# Altium PCB Clock_Buffer.PcbDoc
Units mm, origin at the board's own origin, x right, y up, seen from the top; angles counter-clockwise.
Board outline 38.1 x 39.62 mm, 2 copper layers (Top Layer, Bottom Layer(GND)), stack 1.57 mm thick; 28 components, 12 nets, 89 pads, 0 vias.
Unrouted connection lines stored in the file: 1.
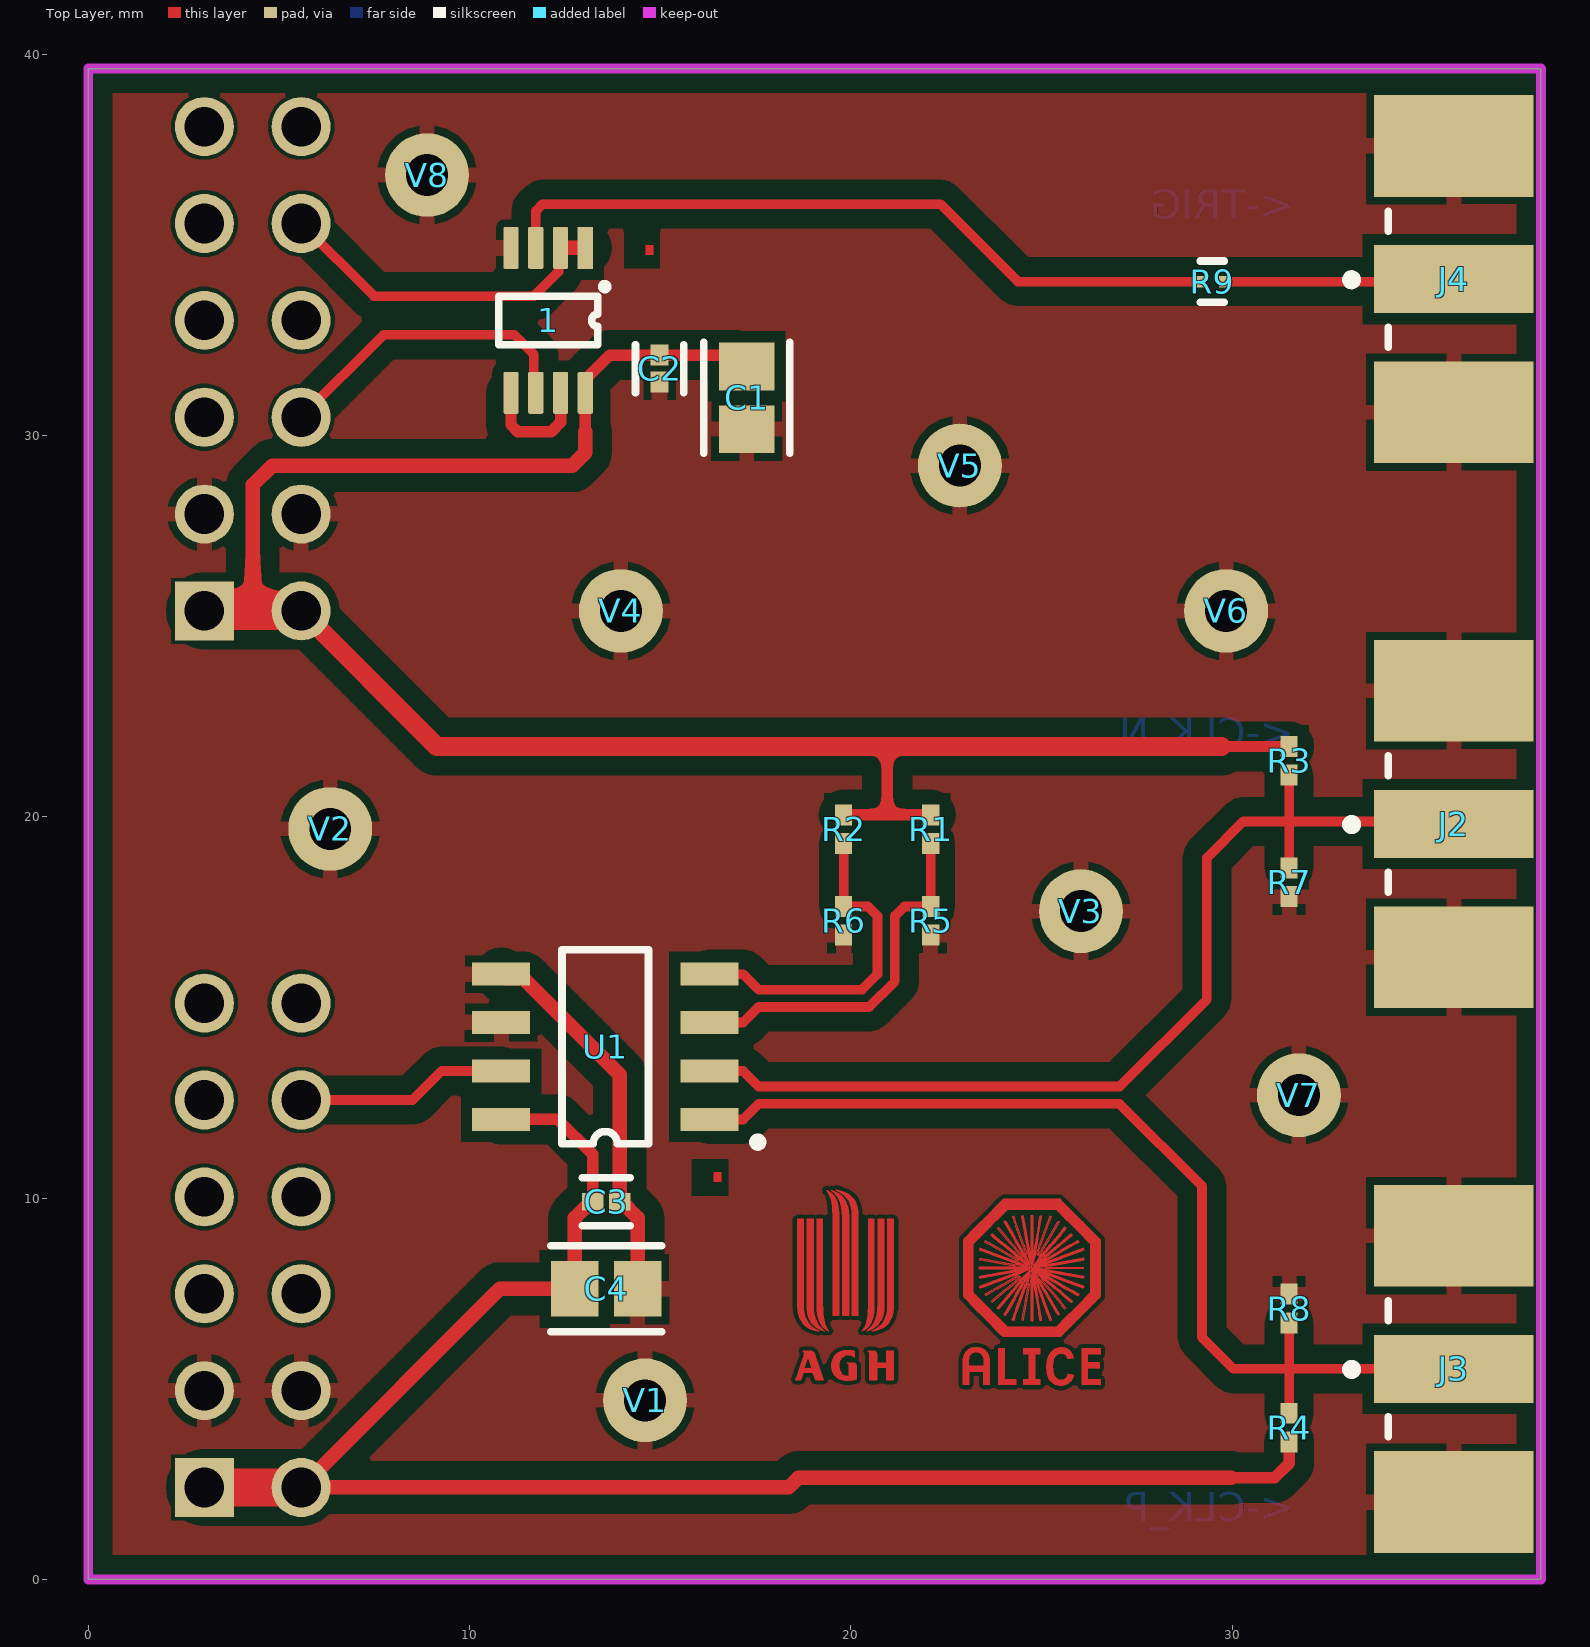
[diagram p0: Top Layer view]
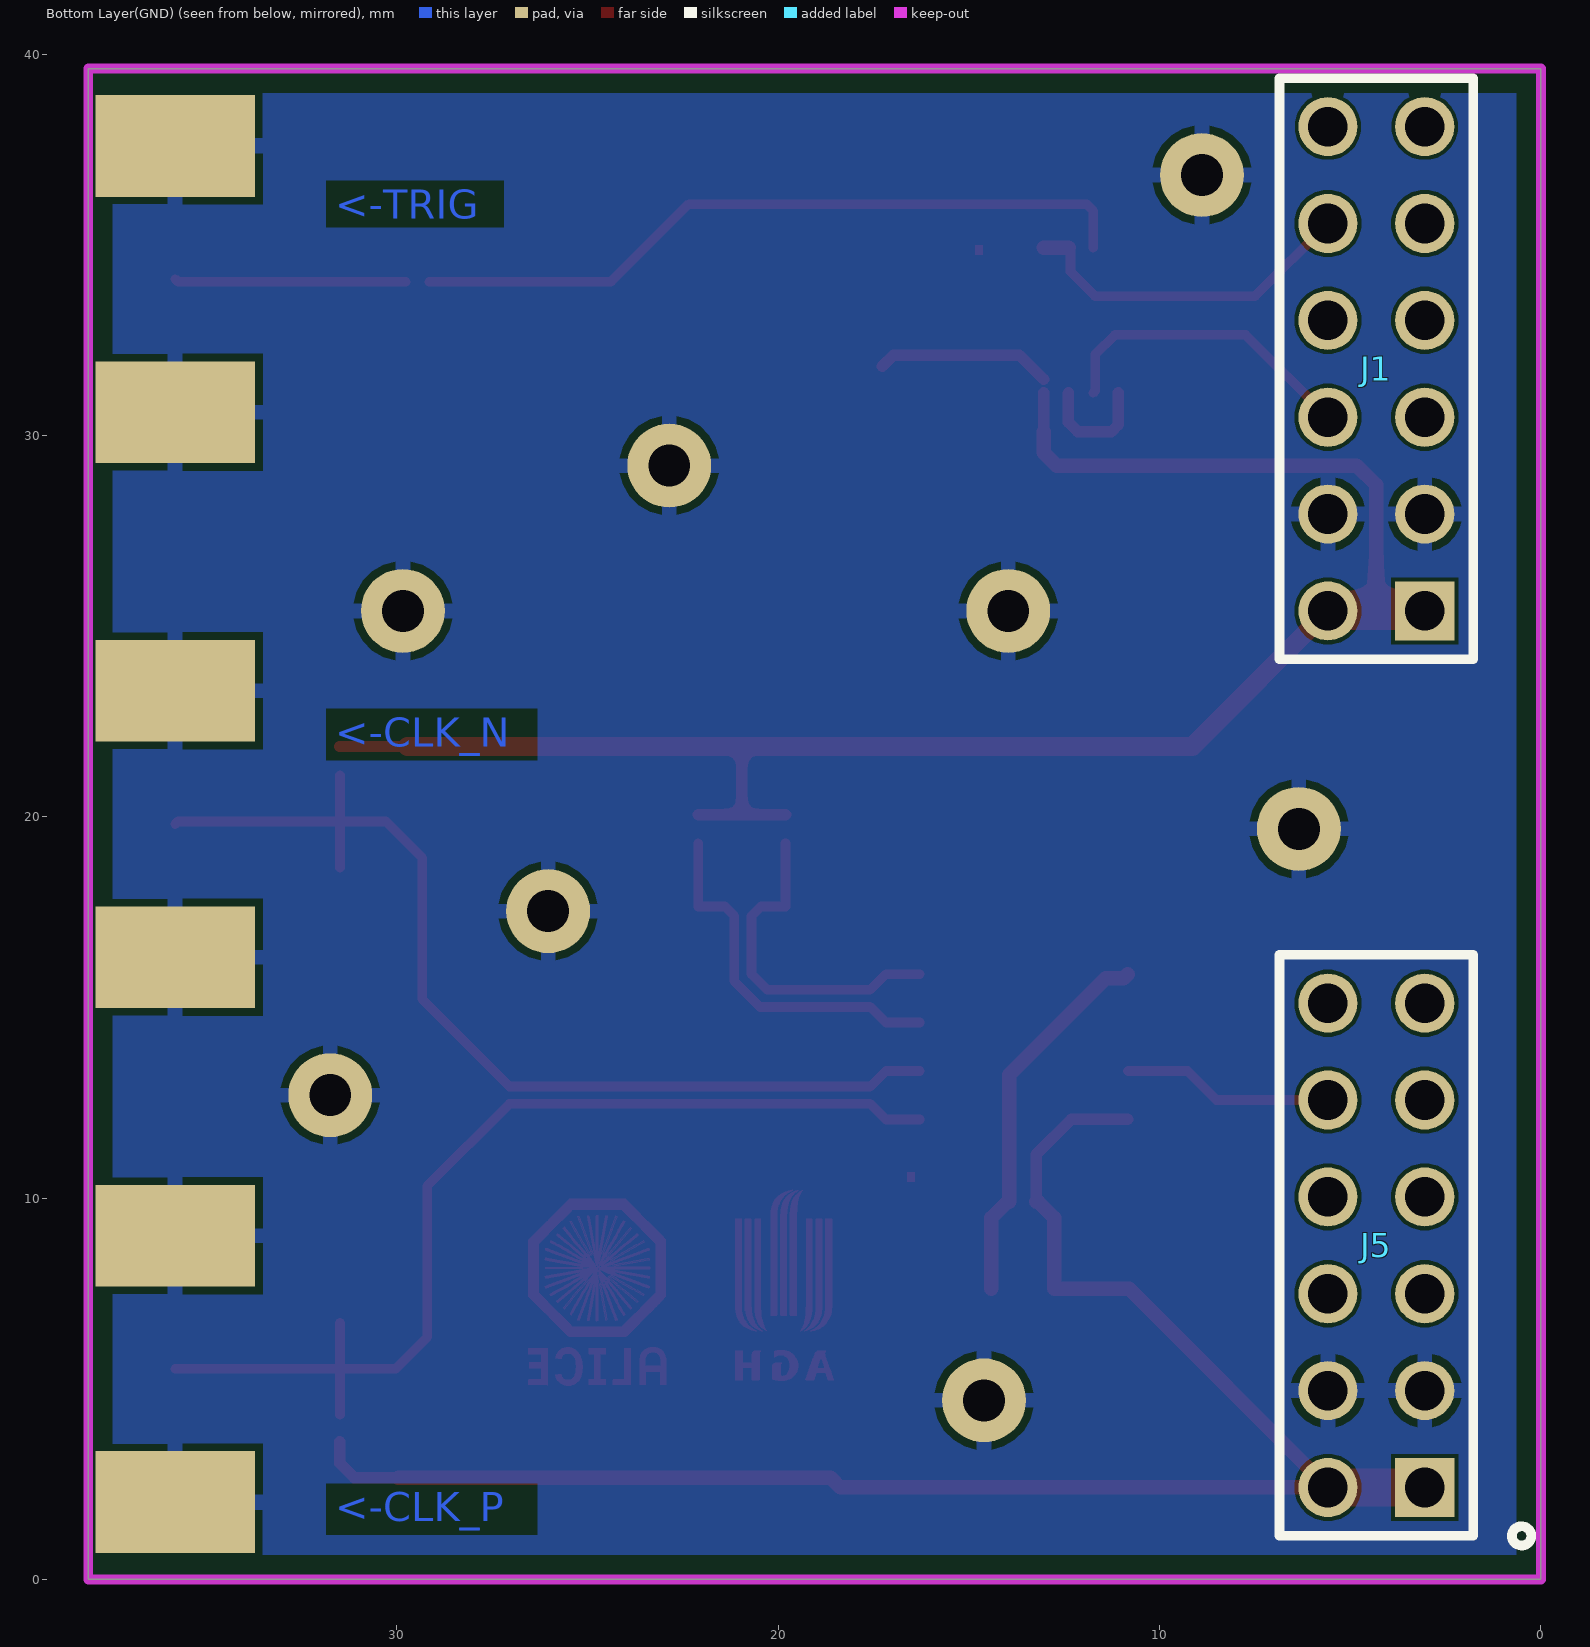
[diagram p1: Bottom Layer(GND) view, seen from below]
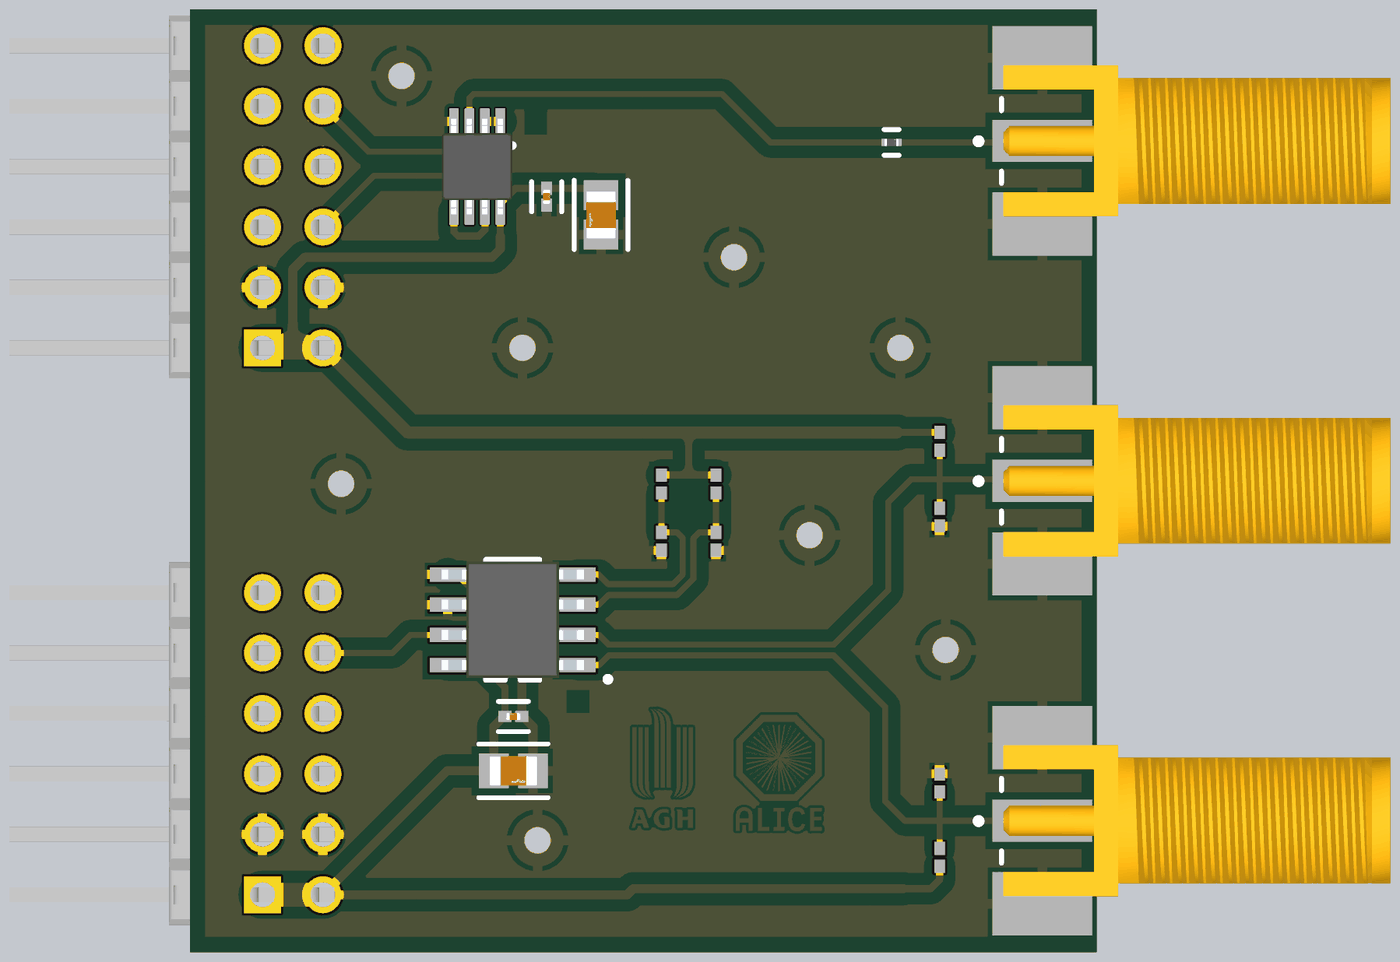
[diagram p2: 3D render of the assembled board from above, using the file's embedded part models]

## Layer stack, top to bottom
Top Solder: solder mask 0.0102, Solder Resist, Dk 3.5
Top Layer: signal copper 0.035
Dielectric 1: dielectric 1.5, FR-4, Dk 4.1
Bottom Layer(GND): signal copper 0.035
Bottom Solder: solder mask 0.0102, Solder Resist, Dk 3.5

## Board outline
0,0 0,39.624 38.1,39.624 38.1,0

## Design rules (kind name [scope] priority, off if disabled: settings)
BoardOutlineClearance [IsPolygon or IsNet] p1: gap=0.5 ignorepadtopadclearanceinfootprint=FALSE
Clearance [All] p1: gap=0.1 ignorepadtopadclearanceinfootprint=FALSE except(0.3: SMDPad-Fill SMDPad-Poly SMDPad-Region; 0.508: Arc-Fill Arc-Poly Arc-Region Track-Fill Track-Poly Track-Region)
ComponentClearance [All] p1 off: gap=0 collisioncheckmode=3 verticalgap=0 showdistances=FALSE
DiffPairsRouting [All] p1: maxlimit=0.254 minlimit=0.1 mostfreqgap=0.2 toplayer_minwidth=0.1 toplayer_maxwidth=0.7 toplayer_prefwidth=0.254 bottomlayer_minwidth=0.1 bottomlayer_maxwidth=0.7 bottomlayer_prefwidth=0.254 maxuncoupledlength=12.7
MinimumSolderMaskSliver [All] p1: minsoldermaskwidth=0.1
PolygonConnect Polygon_Power [InNet('GND') or InNet('VCC')] p1: connectstyle=Relief reliefconductorwidth=0.4 reliefentries=4 polygonreliefangle="90 Angle" airgapwidth=0.2
PolygonConnect [All] p2: connectstyle=Relief reliefconductorwidth=0.254 reliefentries=4 polygonreliefangle="90 Angle" airgapwidth=0.254
RoutingVias [All] p1: holewidth=0.711 width=1.27 viastyle="Through Hole" minholewidth=0.711 minwidth=1.27 maxholewidth=0.711 maxwidth=1.27
SolderMaskExpansion [All] p1: expansion=0.102 istentingtop=FALSE
SupplyNets "Schematic Supply Nets_1" [InNet('GND')] p1: voltage=0.000
SupplyNets "Schematic Supply Nets" [InNet('VCC')] p2: voltage=0.000
Width [All] p1: maxlimit=2 minlimit=0.1 preferedwidth=0.3 minimp=50.000000 maximp=50.000000 favimp=50.000000
27 further rules are at their usual default settings.

## Classes and differential pairs
differential pair Q1: +Q1_P -Q1_N
differential pair Q0: +Q0_P -Q0_N

## Components (designator, comment, footprint, x,y, rotation, side; value= is the part's Value field where it differs from the comment)
1 "SN74LVC2G08DCTRG4" "8-Pin SM8" 12.065,33.02 r270 top
C1 "GRM21BZ71E106KE15K" FP-GRM21B-0_2-e0_2_0_7-IPC_B 17.272,30.988 r270 top value=10uF
C2 "GRM033Z71C104KE14J" FP-GRM033-0_03-IPC_A 14.986,31.753 r90 top value=100nF
C3 "GRM033Z71C104KE14J" FP-GRM033-0_03-IPC_A 13.589,9.906 r180 top value=100nF
C4 "GRM21BZ71E106KE15K" FP-GRM21B-0_2-e0_2_0_7-IPC_B 13.589,7.62 r0 top value=10uF
J1 "2X6_Male_90_Angle_Conn" 2X6_Male_90_Angle_Conn 4.318,31.75 r0 bottom
J2 "73251-2120" FP-73251-2120-MFG 42.229,19.812 r180 top
J3 "73251-2120" FP-73251-2120-MFG 42.229,5.524 r180 top
J4 "73251-2120" FP-73251-2120-MFG 42.229,34.099 r180 top
J5 "2X6_Male_90_Angle_Conn" 2X6_Male_90_Angle_Conn 4.318,8.763 r0 bottom
R1 "CRCW0201130RFNED" RESC0603X28X15ML05T05 22.098,19.679 r90 top value=130R
R2 "CRCW0201130RFNED" RESC0603X28X15ML05T05 19.812,19.679 r90 top value=130R
R3 "CRCW0201130RFNED" RESC0603X28X15ML05T05 31.496,21.469 r90 top value=130R
R4 "CRCW0201130RFNED" RESC0603X28X15ML05T05 31.496,3.985 r270 top value=130R
R5 "CRCW020182R0FNED" RESC0603X28X15ML05T05 22.098,17.272 r90 top value=82R
R6 "CRCW020182R0FNED" RESC0603X28X15ML05T05 19.812,17.272 r90 top value=82R
R7 "CRCW020182R0FNED" RESC0603X28X15ML05T05 31.496,18.288 r90 top value=82R
R8 "CRCW020182R0FNED" RESC0603X28X15ML05T05 31.496,7.106 r270 top value=82R
R9 "ERJ-1GNF10R0C" FP-ERJ1GN-MFG 29.478,34.036 r0 top
U1 "MC100LVELT22DR2G" MC100LVELT22DR2G 13.561,13.97 r180 top
V1 "Copper_Via_09" Copper_Via_09 14.605,4.699 r0 top
V2 "Copper_Via_09" Copper_Via_09 6.35,19.685 r0 top
V3 "Copper_Via_09" Copper_Via_09 26.035,17.526 r0 top
V4 "Copper_Via_09" Copper_Via_09 13.97,25.4 r0 top
V5 "Copper_Via_09" Copper_Via_09 22.86,29.21 r0 top
V6 "Copper_Via_09" Copper_Via_09 29.845,25.4 r0 top
V7 "Copper_Via_09" Copper_Via_09 31.75,12.7 r0 top
V8 "Copper_Via_09" Copper_Via_09 8.89,36.83 r0 top

## Footprints (in the part's own frame and the unit in brackets; to place one, negate y for a bottom-side part, rotate by r counter-clockwise, add the part's x,y. Pads: shape width x height; smd on the part's side, far side on the other; paste and mask are expansions set on the pad)
2X6_Male_90_Angle_Conn [mm] "2X6_Male_90_Angle_Conn"
  rect 1.55x1.55 hole 1.04 mask+0.102: 1(-1.27,6.35)
  round 1.55 hole 1.04 mask+0.102: 2(-1.27,3.81) 3(-1.27,1.27) 4(-1.27,-1.27) 5(-1.27,-3.81) 6(-1.27,-6.35) 7(1.27,-6.35) 8(1.27,-3.81) 9(1.27,-1.27) 10(1.27,1.27) 11(1.27,3.81) 12(1.27,6.35)
  silkscreen extent -2.54,-7.62 2.54,7.62, body extent -11.91,-7.62 1.75,7.62, height 5.04
"8-Pin SM8" [mm]
  rect 1.1x0.4 smd mask+0.07: 1(-1.9,0.975)
  rrect20% 1.1x0.4 smd mask+0.07: 2(-1.9,0.325) 3(-1.9,-0.325) 4(-1.9,-0.975) 5(1.9,-0.975) 6(1.9,-0.325) 7(1.9,0.325) 8(1.9,0.975)
  silkscreen extent -0.93,-1.3 0.64,1.53, body extent -2.01,-1.48 2.01,1.48, height 0.91
Copper_Via_09 [mm] "Copper Via, 0.9mm hole"
  round 2.2 / inner round 1.524 / far side round 2.2 hole 1.1 mask+0.102: 1(0,0)
FP-73251-2120-MFG [mm]
  rect 4.19x1.78 smd paste+0 mask+0: 1(6.415,0)
  rect 4.19x2.665 smd paste+0 mask+0: 2(6.415,3.493) 3(6.415,-3.492)
  rect 4.19x2.665 smd far side paste+0 mask+0: 4(6.415,3.493) 5(6.415,-3.492)
  silkscreen extent 8.13,-1.79 9.22,1.79, body extent -8.23,-4.92 8.61,4.92, height 0.25
FP-ERJ1GN-MFG [mm]
  rect 0.25x0.3 smd paste+0 mask+0: 1(-0.3,0) 2(0.3,0)
  silkscreen extent -0.32,-0.54 0.32,0.54, body extent -0.53,-0.27 0.53,0.27, height 0.25
FP-GRM21B-0_2-e0_2_0_7-IPC_B [mm]
  rect 1.255x1.456 smd paste+0 mask+0: 1(-0.826,0) 2(0.826,0)
  silkscreen extent -1.45,-1.13 1.45,1.13, body extent -1.7,-0.98 1.7,0.98, height 0.25
FP-GRM033-0_03-IPC_A [mm]
  rect 0.554x0.463 smd paste+0 mask+0: 1(-0.354,0) 2(0.354,0)
  silkscreen extent -0.63,-0.63 0.63,0.63, body extent -0.83,-0.43 0.83,0.43, height 0.25
MC100LVELT22DR2G [mm] "SOIC-8, LVCMOS/LVTTL to LVPECL"
  rect 1.52x0.6 smd: 1(-2.73,1.905) 2(-2.73,0.635) 3(-2.73,-0.635) 5(2.73,-1.905) 6(2.73,-0.635) 7(2.73,0.635) 8(2.73,1.905)
  rect 1.52x0.6 smd mask+0.102: 4(-2.73,-1.905)
  silkscreen extent -4.1,-2.54 1.14,2.6, body extent -3,-2.45 3,2.45, height 1.75
RESC0603X28X15ML05T05 [mm] "Chip Resistor, 2-Leads, Body 0.60x0.30mm, IPC Low Density"
  rect 0.55x0.45 smd: 1(-0.375,0) 2(0.375,0)
  body extent -0.33,-0.17 0.33,0.18, height 0.28

## Part data
C1 C4: library part CMP-06035-042430-1, "Chip Multilayer Ceramic Capacitors for General Purpose, 0805, 10uF, X7R, 15%, 10%, 25V", Case/Package=0805
C2 C3: library part CMP-06035-043202-1, "Chip Multilayer Ceramic Capacitors for General Purpose, 0201, 0.10uF, X7R, 15%, 10%, 16V"
J1 J5: "2x16 right angle connector"
J2 J3 J4: library part CMP-04764-000015-1, "CONN SMA JACK STR 50OHM EDGE MNT", Case/Package=SMA, Operating Frequency=N/A, Package Quantity=1600, Body Material=Brass, Body Plating=Gold, Connector Type=SMA, Contact Material=Copper, Contact Plating=Gold, Gender=Female, Halogen Free="Low Halogen", Impedance=50R, Lead Free="Lead Free", Mount=Edge, Orientation=Straight, Packaging=Bulk, Plating=Gold, Polarity=Standard, Radiation Hardening=No, RoHS Compliant=Yes, Series=73251, Termination=Solder
R1 R2 R3 R4: library part CMP-2004-00084-1, Manufacturer="Vishay Dale", Part Number=CRCW0201130RFNED
R5 R6 R7 R8: library part CMP-2004-00897-1, Manufacturer="Vishay Dale", Part Number=CRCW020182R0FNED
R9: library part CMP-2004-03448-2, Case Code (Imperial)=0201, Case Code (Metric)=0603, Max Operating Temperature=125°C, Max Power Dissipation=50mW, Min Operating Temperature=-55°C, Resistance=10Ω, Temperature Coefficient=200ppm/°C, Tolerance=1%, Voltage Rating=25V, Case/Package=0201, Composition="Thick Film", Contact Plating=Tin, Height=254µm, Lead Free="Lead Free", Length=600µm, Lifecycle Status=Production, Mount="Surface Mount", NexarPartId=55419705, Number of Pins=2, Number of Terminations=2, Packaging="Cut Tape", Power Rating=50mW, Radiation Hardening=No, REACH SVHC="No SVHC", RoHS=Compliant, Schedule B="8533210045, 8533210045", Termination=SMD/SMT, Voltage Rating (DC)=25V, Weight=170.097139µg, Width=304.8µm, Working Voltage=25V
U1: "SOIC-8, LVCMOS/LVTTL to LVPECL", ComponentLink1Description=Link, ComponentLink1URL=https://www.mouser.pl/ProductDetail/onsemi/MC100LVELT22DR2G?qs=zorda86t5M8%2FJ3oAMFoeaQ%3D%3D
V1 V2 V3 V4 V5 V6 V7 V8: "Copper Via 0.9mm hole"

## Nets (pads, with @x,y where several pads share a name; then routed paths per layer and width w, separated by ;. In a path a pad name is that pad's centre, name@x,y a point inside that pad or via, vN(x,y) a via of type N, cw(c..) or ccw(c..) an arc to the next point about the centre after c; other vN are vias at no path point)
AND_OUT: J4.1 R9.2 | length 6.1
  Top Layer w0.254: R9.2 35.75,34.036 J4.1
FPGA_CLK: J5.8 U1.7 | length 5.6
  Top Layer w0.254: J5.8 8.509,12.573 9.271,13.335 U1.7
FPGA_TRIG: 1.1 1.2 J1.8 | length 9.1
  Top Layer w0.254: J1.8 7.495,33.653 11.695,33.653 12.34,34.298 12.34,34.87 1.2
  Top Layer w0.381: 1.2 1.1
FPGA_TRIG_EN: 1.6 J1.10 | length 8.2
  Top Layer w0.254: J1.10 7.747,32.639 11.176,32.639 11.69,32.125 11.69,31.17 1.6
GND: 1.4 C1.2 C2.1 C3.1 C4.2 J1.2 J1.11 J2.2 J2.3 J2.4 J2.5 J3.2 J3.3 J3.4 J3.5 J4.2 J4.3 J4.4 J4.5 J5.2 J5.11 R5.1 R6.1 R7.1 R8.1 U1.5 U1.6 V1.1 V2.1 V3.1 V4.1 V5.1 V6.1 V7.1 V8.1 | length 10.1
  Top Layer w0.254: 13.943,13.235 13.943,13.308
  Top Layer w0.381: U1.5 10.941,15.766 11.412,15.766 13.943,13.235 C3.1 ; C3.1@13.989,9.906 14.415,9.48 C4.2
Net1_3: 1.3 R9.1 | length 19.3
  Top Layer w0.254: 1.3 11.74,35.892 11.916,36.068 22.352,36.068 24.384,34.036 R9.1@29.145,34.036
OUT_1: 1.5 1.7 | length 3.1
  Top Layer w0.3: 1.5 11.09,30.275 11.266,30.099 12.143,30.099 12.396,30.351 12.396,31.114 1.7
Q0_N: J2.1 R3.1 R7.2 U1.2 | length 27.2
  Top Layer w0.254: U1.2 17.178,13.335 17.586,12.927 27.051,12.927 29.337,15.213 29.337,18.923 30.29,19.875 31.496,19.875 ; R7.2@31.496,18.669 31.496,19.875 ; R3.1@31.496,21.082 31.496,19.875 ; J2.1 35.75,19.875 31.496,19.875
Q0_P: J3.1 R4.1 R8.2 U1.1 | length 27.3
  Top Layer w0.254: U1.1 17.178,12.065 17.586,12.473 27.051,12.473 29.21,10.314 29.21,6.35 30.035,5.524 31.496,5.524 ; R4.1@31.496,4.318 31.496,5.524 ; R8.2 31.496,5.524 ; J3.1 31.496,5.524
Q1_N: R2.1 R6.2 U1.4 | length 8.9
  Top Layer w0.254: U1.4 17.178,15.875 17.586,15.467 20.293,15.467 20.701,15.875 20.701,17.399 20.453,17.647 R6.2 R2.1
Q1_P: R1.1 R5.2 U1.3 | length 9.7
  Top Layer w0.254: U1.3 17.178,14.605 17.586,15.013 20.481,15.013 21.155,15.687 21.155,17.399 21.403,17.647 R5.2 R1.1
VCC: 1.8 C1.1 C2.2 C3.2 C4.1 J1.1 J1.12 J5.1 J5.12 R1.2 R2.2 R3.2 R4.2 U1.8 | length 97.7
  Top Layer w0.3: U1.8 12.319,12.065 13.235,11.149 C3.2 ; 1.8@13.04,31.47 13.68,32.11 14.983,32.11 C2.2 16.979,32.107 C1.1 ; 29.718,21.844 R3.2 ; 29.972,2.667 31.115,2.667 31.496,3.048 R4.2
  Top Layer w0.305: 13.04,30.099 1.8 ; R2.2@19.815,20.057 R2.2 20.955,20.054 ; 20.955,21.844 20.955,20.054 ; R1.2 22.095,20.051 22.092,20.054 20.955,20.054
  Top Layer w0.381: 4.318,25.4 4.318,28.702 4.826,29.21 12.7,29.21 13.04,29.55 13.04,30.099 ; C3.2 13.189,9.906 12.763,9.48 C4.1 10.795,7.62 J5.12 18.375,2.413 18.629,2.667 29.972,2.667
  Top Layer w0.5: J1.12 9.144,21.844 20.955,21.844 29.718,21.844
  Top Layer w1: J5.1 J5.12 ; J1.1 4.318,25.4 J1.12
pads on no net: J1.3 J1.4 J1.5 J1.6 J1.7 J1.9 J5.3 J5.4 J5.5 J5.6 J5.7 J5.9 J5.10

## Polygon pours and split planes (outlines as drawn)
GND on Bottom Layer(GND) "GND_L02_P000" (solid, pour order 0): 0,0 0,39.624 38.481,39.624 38.481,0
GND on Top Layer "GND_L01_P003" (solid, pour order 3): 0,39.624 0,0 38.1,0 38.1,39.624

## Keep-outs
Keep-Out Layer:
  the board outline again, w0.254

## Other copper
Top Layer:
  drawing of 514 lines, arcs and shapes, not listed
  text "." at 14.402,34.722 h1.52
  text "." at 16.18,10.414 h1.52
Bottom Layer(GND):
  text "<-TRIG" at 31.623,35.687 h0.76
  text "<-CLK_N" at 31.623,21.844 h0.76
  text "<-CLK_P" at 31.623,1.524 h0.76